# KiCad board Eclipse60.kicad_pcb (continued)
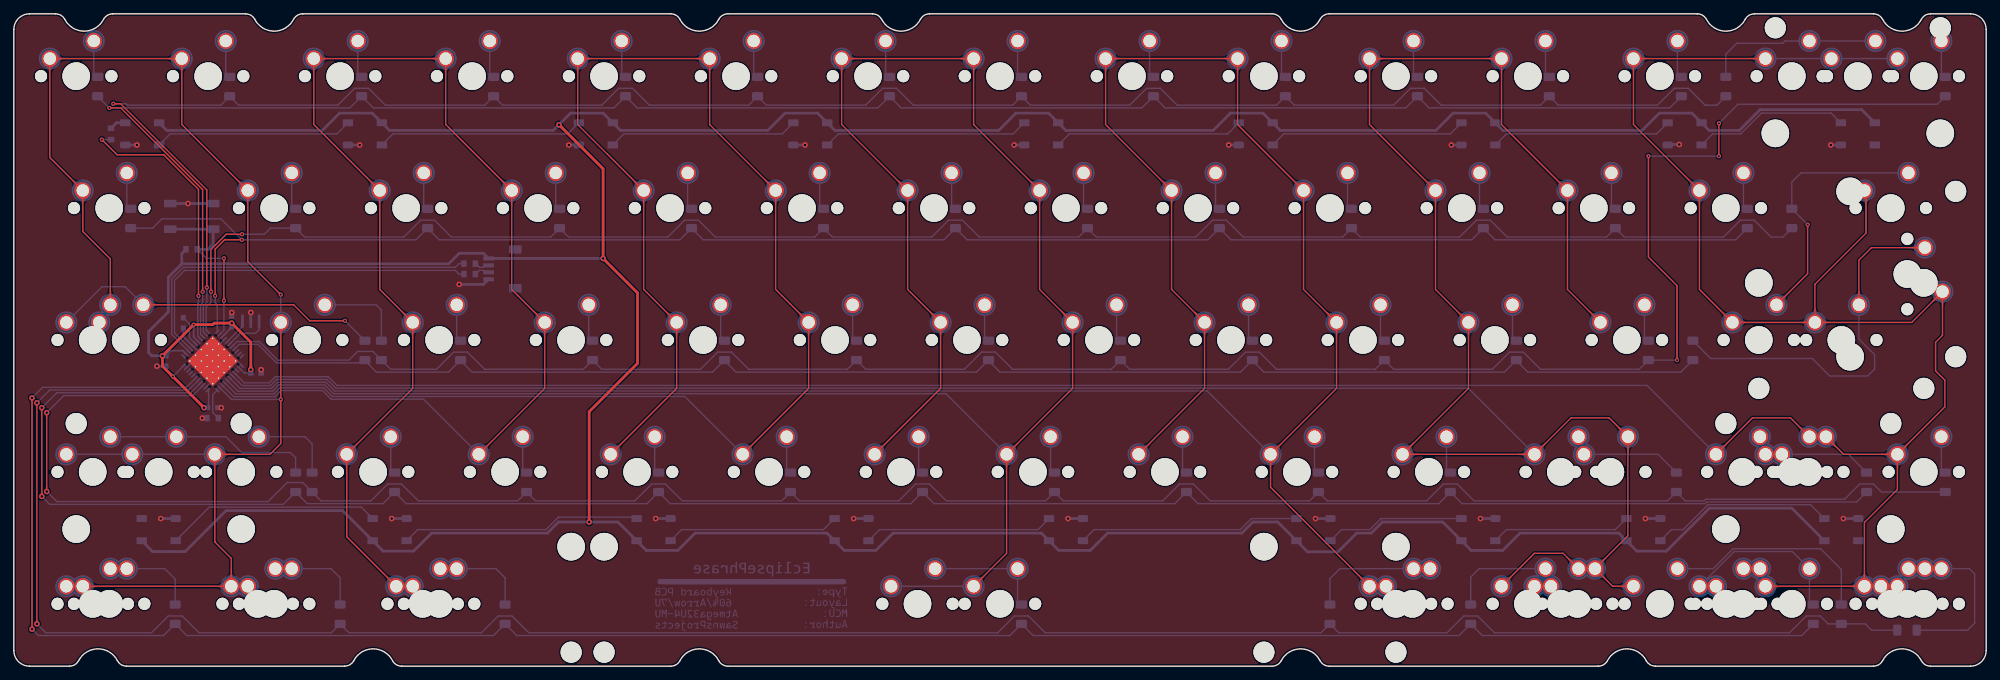
[diagram p0: board, top side]
## Copper pours and planes (outline as drawn; the poured copper is in the pictures) (continued)
Net-(D36-Pad2) on Bottom: 83.08,49.79 83.08,49.89 83.08,49.99 83.09,50.08 83.11,50.16 83.12,50.24 83.14,50.31 83.16,50.38 83.19,50.44 83.21,50.5 83.24,50.55 83.27,50.61 83.3,50.66 83.34,50.71 83.38,50.76 83.75,51.18 83.8,51.24 83.84,51.3 83.89,51.36 83.93,51.43 83.97,51.5 84.02,51.58 84.06,51.66 82.98,52.78 81.9,51.66 81.94,51.58 81.98,51.5 82.02,51.43 82.07,51.36 82.11,51.3 82.16,51.24 82.2,51.18 82.58,50.76 82.62,50.71 82.65,50.66 82.68,50.61 82.71,50.55 82.74,50.5 82.77,50.44 82.79,50.38 82.81,50.31 82.83,50.24 82.85,50.16 82.86,50.08 82.87,49.99 82.88,49.89 82.88,49.79
Net-(D37-Pad2) on Bottom: 102.13,48.99 102.13,49.13 102.14,49.25 102.15,49.37 102.17,49.48 102.19,49.59 102.21,49.68 102.24,49.77 102.28,49.86 102.31,49.94 102.35,50.01 102.4,50.08 102.44,50.15 102.49,50.22 102.54,50.28 102.59,50.34 102.64,50.4 102.94,50.71 103,50.78 103.06,50.85 103.12,50.92 103.18,51 103.24,51.09 103.3,51.17 103.35,51.27 103.41,51.37 103.47,51.48 102.03,52.98 100.59,51.48 100.64,51.37 100.7,51.27 100.76,51.17 100.82,51.09 100.88,51 100.94,50.92 101,50.85 101.06,50.78 101.12,50.71 101.41,50.4 101.46,50.34 101.52,50.28 101.57,50.22 101.61,50.15 101.66,50.08 101.7,50.01 101.74,49.94 101.78,49.86 101.81,49.77 101.84,49.68 101.87,49.59 101.89,49.48 101.9,49.37 101.92,49.25 101.92,49.13 101.93,48.99
Net-(D37-Pad2) on Bottom: 102.13,49.79 102.13,49.89 102.13,49.99 102.14,50.08 102.16,50.16 102.17,50.24 102.19,50.31 102.21,50.38 102.24,50.44 102.26,50.5 102.29,50.55 102.32,50.61 102.35,50.66 102.39,50.71 102.43,50.76 102.8,51.18 102.85,51.24 102.89,51.3 102.94,51.36 102.98,51.43 103.02,51.5 103.07,51.58 103.11,51.66 102.03,52.78 100.95,51.66 100.99,51.58 101.03,51.5 101.07,51.43 101.12,51.36 101.16,51.3 101.21,51.24 101.25,51.18 101.63,50.76 101.67,50.71 101.7,50.66 101.73,50.61 101.76,50.55 101.79,50.5 101.82,50.44 101.84,50.38 101.86,50.31 101.88,50.24 101.9,50.16 101.91,50.08 101.92,49.99 101.93,49.89 101.93,49.79
Net-(D38-Pad2) on Bottom: 121.18,48.99 121.18,49.13 121.19,49.25 121.2,49.37 121.22,49.48 121.24,49.59 121.26,49.68 121.29,49.77 121.33,49.86 121.36,49.94 121.4,50.01 121.45,50.08 121.49,50.15 121.54,50.22 121.59,50.28 121.64,50.34 121.69,50.4 121.99,50.71 122.05,50.78 122.11,50.85 122.17,50.92 122.23,51 122.29,51.09 122.35,51.17 122.4,51.27 122.46,51.37 122.52,51.48 121.08,52.98 119.64,51.48 119.69,51.37 119.75,51.27 119.81,51.17 119.87,51.09 119.93,51 119.99,50.92 120.05,50.85 120.11,50.78 120.17,50.71 120.46,50.4 120.51,50.34 120.57,50.28 120.62,50.22 120.66,50.15 120.71,50.08 120.75,50.01 120.79,49.94 120.83,49.86 120.86,49.77 120.89,49.68 120.92,49.59 120.94,49.48 120.95,49.37 120.97,49.25 120.97,49.13 120.98,48.99
Net-(D38-Pad2) on Bottom: 121.18,49.79 121.18,49.89 121.18,49.99 121.19,50.08 121.21,50.16 121.22,50.24 121.24,50.31 121.26,50.38 121.29,50.44 121.31,50.5 121.34,50.55 121.37,50.61 121.4,50.66 121.44,50.71 121.48,50.76 121.85,51.18 121.9,51.24 121.94,51.3 121.99,51.36 122.03,51.43 122.07,51.5 122.12,51.58 122.16,51.66 121.08,52.78 120,51.66 120.04,51.58 120.08,51.5 120.12,51.43 120.17,51.36 120.21,51.3 120.26,51.24 120.3,51.18 120.68,50.76 120.72,50.71 120.75,50.66 120.78,50.61 120.81,50.55 120.84,50.5 120.87,50.44 120.89,50.38 120.91,50.31 120.93,50.24 120.95,50.16 120.96,50.08 120.97,49.99 120.98,49.89 120.98,49.79
Net-(D39-Pad2) on Bottom: 140.23,48.99 140.23,49.13 140.24,49.25 140.25,49.37 140.27,49.48 140.29,49.59 140.31,49.68 140.34,49.77 140.38,49.86 140.41,49.94 140.45,50.01 140.5,50.08 140.54,50.15 140.59,50.22 140.64,50.28 140.69,50.34 140.74,50.4 141.04,50.71 141.1,50.78 141.16,50.85 141.22,50.92 141.28,51 141.34,51.09 141.4,51.17 141.45,51.27 141.51,51.37 141.57,51.48 140.13,52.98 138.69,51.48 138.74,51.37 138.8,51.27 138.86,51.17 138.92,51.09 138.98,51 139.04,50.92 139.1,50.85 139.16,50.78 139.22,50.71 139.51,50.4 139.56,50.34 139.62,50.28 139.67,50.22 139.71,50.15 139.76,50.08 139.8,50.01 139.84,49.94 139.88,49.86 139.91,49.77 139.94,49.68 139.97,49.59 139.99,49.48 140,49.37 140.02,49.25 140.02,49.13 140.03,48.99
Net-(D39-Pad2) on Bottom: 140.23,49.79 140.23,49.89 140.23,49.99 140.24,50.08 140.26,50.16 140.27,50.24 140.29,50.31 140.31,50.38 140.34,50.44 140.36,50.5 140.39,50.55 140.42,50.61 140.45,50.66 140.49,50.71 140.53,50.76 140.9,51.18 140.95,51.24 140.99,51.3 141.04,51.36 141.08,51.43 141.12,51.5 141.17,51.58 141.21,51.66 140.13,52.78 139.05,51.66 139.09,51.58 139.13,51.5 139.17,51.43 139.22,51.36 139.26,51.3 139.31,51.24 139.35,51.18 139.73,50.76 139.77,50.71 139.8,50.66 139.83,50.61 139.86,50.55 139.89,50.5 139.92,50.44 139.94,50.38 139.96,50.31 139.98,50.24 140,50.16 140.01,50.08 140.02,49.99 140.03,49.89 140.03,49.79
Net-(D40-Pad2) on Bottom: 159.28,48.99 159.28,49.13 159.29,49.25 159.3,49.37 159.32,49.48 159.34,49.59 159.36,49.68 159.39,49.77 159.43,49.86 159.46,49.94 159.5,50.01 159.55,50.08 159.59,50.15 159.64,50.22 159.69,50.28 159.74,50.34 159.79,50.4 160.09,50.71 160.15,50.78 160.21,50.85 160.27,50.92 160.33,51 160.39,51.09 160.45,51.17 160.5,51.27 160.56,51.37 160.62,51.48 159.18,52.98 157.74,51.48 157.79,51.37 157.85,51.27 157.91,51.17 157.97,51.09 158.03,51 158.09,50.92 158.15,50.85 158.21,50.78 158.27,50.71 158.56,50.4 158.61,50.34 158.67,50.28 158.72,50.22 158.76,50.15 158.81,50.08 158.85,50.01 158.89,49.94 158.93,49.86 158.96,49.77 158.99,49.68 159.02,49.59 159.04,49.48 159.05,49.37 159.07,49.25 159.07,49.13 159.08,48.99
Net-(D40-Pad2) on Bottom: 159.28,49.79 159.28,49.89 159.28,49.99 159.29,50.08 159.31,50.16 159.32,50.24 159.34,50.31 159.36,50.38 159.39,50.44 159.41,50.5 159.44,50.55 159.47,50.61 159.5,50.66 159.54,50.71 159.58,50.76 159.95,51.18 160,51.24 160.04,51.3 160.09,51.36 160.13,51.43 160.17,51.5 160.22,51.58 160.26,51.66 159.18,52.78 158.1,51.66 158.14,51.58 158.18,51.5 158.22,51.43 158.27,51.36 158.31,51.3 158.36,51.24 158.4,51.18 158.78,50.76 158.82,50.71 158.85,50.66 158.88,50.61 158.91,50.55 158.94,50.5 158.97,50.44 158.99,50.38 159.01,50.31 159.03,50.24 159.05,50.16 159.06,50.08 159.07,49.99 159.08,49.89 159.08,49.79
Net-(D41-Pad2) on Bottom: 178.33,48.99 178.33,49.13 178.34,49.25 178.35,49.37 178.37,49.48 178.39,49.59 178.41,49.68 178.44,49.77 178.48,49.86 178.51,49.94 178.55,50.01 178.6,50.08 178.64,50.15 178.69,50.22 178.74,50.28 178.79,50.34 178.84,50.4 179.14,50.71 179.2,50.78 179.26,50.85 179.32,50.92 179.38,51 179.44,51.09 179.5,51.17 179.55,51.27 179.61,51.37 179.67,51.48 178.23,52.98 176.79,51.48 176.84,51.37 176.9,51.27 176.96,51.17 177.02,51.09 177.08,51 177.14,50.92 177.2,50.85 177.26,50.78 177.32,50.71 177.61,50.4 177.66,50.34 177.72,50.28 177.77,50.22 177.81,50.15 177.86,50.08 177.9,50.01 177.94,49.94 177.98,49.86 178.01,49.77 178.04,49.68 178.07,49.59 178.09,49.48 178.1,49.37 178.12,49.25 178.12,49.13 178.13,48.99
Net-(D41-Pad2) on Bottom: 178.33,49.79 178.33,49.89 178.33,49.99 178.34,50.08 178.36,50.16 178.37,50.24 178.39,50.31 178.41,50.38 178.44,50.44 178.46,50.5 178.49,50.55 178.52,50.61 178.55,50.66 178.59,50.71 178.63,50.76 179,51.18 179.05,51.24 179.09,51.3 179.14,51.36 179.18,51.43 179.22,51.5 179.27,51.58 179.31,51.66 178.23,52.78 177.15,51.66 177.19,51.58 177.23,51.5 177.27,51.43 177.32,51.36 177.36,51.3 177.41,51.24 177.45,51.18 177.83,50.76 177.87,50.71 177.9,50.66 177.93,50.61 177.96,50.55 177.99,50.5 178.02,50.44 178.04,50.38 178.06,50.31 178.08,50.24 178.1,50.16 178.11,50.08 178.12,49.99 178.13,49.89 178.13,49.79
Net-(D42-Pad2) on Bottom: 197.38,48.99 197.38,49.13 197.39,49.25 197.4,49.37 197.42,49.48 197.44,49.59 197.46,49.68 197.49,49.77 197.53,49.86 197.56,49.94 197.6,50.01 197.65,50.08 197.69,50.15 197.74,50.22 197.79,50.28 197.84,50.34 197.89,50.4 198.19,50.71 198.25,50.78 198.31,50.85 198.37,50.92 198.43,51 198.49,51.09 198.55,51.17 198.6,51.27 198.66,51.37 198.72,51.48 197.28,52.98 195.84,51.48 195.89,51.37 195.95,51.27 196.01,51.17 196.07,51.09 196.13,51 196.19,50.92 196.25,50.85 196.31,50.78 196.37,50.71 196.66,50.4 196.71,50.34 196.77,50.28 196.82,50.22 196.86,50.15 196.91,50.08 196.95,50.01 196.99,49.94 197.03,49.86 197.06,49.77 197.09,49.68 197.12,49.59 197.14,49.48 197.15,49.37 197.17,49.25 197.17,49.13 197.18,48.99
Net-(D42-Pad2) on Bottom: 197.38,49.79 197.38,49.89 197.38,49.99 197.39,50.08 197.41,50.16 197.42,50.24 197.44,50.31 197.46,50.38 197.49,50.44 197.51,50.5 197.54,50.55 197.57,50.61 197.6,50.66 197.64,50.71 197.68,50.76 198.05,51.18 198.1,51.24 198.14,51.3 198.19,51.36 198.23,51.43 198.27,51.5 198.32,51.58 198.36,51.66 197.28,52.78 196.2,51.66 196.24,51.58 196.28,51.5 196.32,51.43 196.37,51.36 196.41,51.3 196.46,51.24 196.5,51.18 196.88,50.76 196.92,50.71 196.95,50.66 196.98,50.61 197.01,50.55 197.04,50.5 197.07,50.44 197.09,50.38 197.11,50.31 197.13,50.24 197.15,50.16 197.16,50.08 197.17,49.99 197.18,49.89 197.18,49.79
Net-(D43-Pad2) on Bottom: 216.43,48.99 216.43,49.13 216.44,49.25 216.45,49.37 216.47,49.48 216.49,49.59 216.51,49.68 216.54,49.77 216.58,49.86 216.61,49.94 216.65,50.01 216.7,50.08 216.74,50.15 216.79,50.22 216.84,50.28 216.89,50.34 216.94,50.4 217.24,50.71 217.3,50.78 217.36,50.85 217.42,50.92 217.48,51 217.54,51.09 217.6,51.17 217.65,51.27 217.71,51.37 217.77,51.48 216.33,52.98 214.89,51.48 214.94,51.37 215,51.27 215.06,51.17 215.12,51.09 215.18,51 215.24,50.92 215.3,50.85 215.36,50.78 215.42,50.71 215.71,50.4 215.76,50.34 215.82,50.28 215.87,50.22 215.91,50.15 215.96,50.08 216,50.01 216.04,49.94 216.08,49.86 216.11,49.77 216.14,49.68 216.17,49.59 216.19,49.48 216.2,49.37 216.22,49.25 216.22,49.13 216.23,48.99
Net-(D43-Pad2) on Bottom: 216.43,49.79 216.43,49.89 216.43,49.99 216.44,50.08 216.46,50.16 216.47,50.24 216.49,50.31 216.51,50.38 216.54,50.44 216.56,50.5 216.59,50.55 216.62,50.61 216.65,50.66 216.69,50.71 216.73,50.76 217.1,51.18 217.15,51.24 217.19,51.3 217.24,51.36 217.28,51.43 217.32,51.5 217.37,51.58 217.41,51.66 216.33,52.78 215.25,51.66 215.29,51.58 215.33,51.5 215.37,51.43 215.42,51.36 215.46,51.3 215.51,51.24 215.55,51.18 215.93,50.76 215.97,50.71 216,50.66 216.03,50.61 216.06,50.55 216.09,50.5 216.12,50.44 216.14,50.38 216.16,50.31 216.18,50.24 216.2,50.16 216.21,50.08 216.22,49.99 216.23,49.89 216.23,49.79
Net-(D44-Pad2) on Bottom: 235.48,48.99 235.48,49.13 235.49,49.25 235.5,49.37 235.52,49.48 235.54,49.59 235.56,49.68 235.59,49.77 235.63,49.86 235.66,49.94 235.7,50.01 235.75,50.08 235.79,50.15 235.84,50.22 235.89,50.28 235.94,50.34 235.99,50.4 236.29,50.71 236.35,50.78 236.41,50.85 236.47,50.92 236.53,51 236.59,51.09 236.65,51.17 236.7,51.27 236.76,51.37 236.82,51.48 235.38,52.98 233.94,51.48 233.99,51.37 234.05,51.27 234.11,51.17 234.17,51.09 234.23,51 234.29,50.92 234.35,50.85 234.41,50.78 234.47,50.71 234.76,50.4 234.81,50.34 234.87,50.28 234.92,50.22 234.96,50.15 235.01,50.08 235.05,50.01 235.09,49.94 235.13,49.86 235.16,49.77 235.19,49.68 235.22,49.59 235.24,49.48 235.25,49.37 235.27,49.25 235.27,49.13 235.28,48.99
Net-(D44-Pad2) on Bottom: 235.48,49.79 235.48,49.89 235.48,49.99 235.49,50.08 235.51,50.16 235.52,50.24 235.54,50.31 235.56,50.38 235.59,50.44 235.61,50.5 235.64,50.55 235.67,50.61 235.7,50.66 235.74,50.71 235.78,50.76 236.15,51.18 236.2,51.24 236.24,51.3 236.29,51.36 236.33,51.43 236.37,51.5 236.42,51.58 236.46,51.66 235.38,52.78 234.3,51.66 234.34,51.58 234.38,51.5 234.42,51.43 234.47,51.36 234.51,51.3 234.56,51.24 234.6,51.18 234.98,50.76 235.02,50.71 235.05,50.66 235.08,50.61 235.11,50.55 235.14,50.5 235.17,50.44 235.19,50.38 235.21,50.31 235.23,50.24 235.25,50.16 235.26,50.08 235.27,49.99 235.28,49.89 235.28,49.79
Net-(D45-Pad2) on Top: 273.47,60.33 273.57,60.33 273.67,60.33 273.75,60.32 273.84,60.31 273.91,60.29 273.99,60.27 274.05,60.25 274.12,60.23 274.18,60.2 274.23,60.17 274.29,60.14 274.34,60.11 274.39,60.07 274.43,60.04 274.86,59.66 274.92,59.61 274.98,59.57 275.04,59.53 275.11,59.48 275.18,59.44 275.25,59.4 275.34,59.35 276.46,60.43 275.34,61.51 275.25,61.47 275.18,61.43 275.11,61.39 275.04,61.34 274.98,61.3 274.92,61.26 274.86,61.21 274.43,60.83 274.39,60.8 274.34,60.76 274.29,60.73 274.23,60.7 274.18,60.67 274.12,60.64 274.05,60.62 273.99,60.6 273.91,60.58 273.84,60.56 273.75,60.55 273.67,60.54 273.57,60.54 273.47,60.53
Net-(D45-Pad2) on Top: 266.23,54.57 266.23,54.47 266.23,54.37 266.22,54.28 266.21,54.2 266.19,54.12 266.17,54.05 266.15,53.98 266.13,53.92 266.1,53.86 266.07,53.81 266.04,53.75 266.01,53.7 265.97,53.65 265.94,53.6 265.56,53.18 265.51,53.12 265.47,53.06 265.42,53 265.38,52.93 265.34,52.86 265.3,52.78 265.25,52.7 266.33,51.58 267.41,52.7 267.37,52.78 267.33,52.86 267.29,52.93 267.24,53 267.2,53.06 267.15,53.12 267.11,53.18 266.73,53.6 266.7,53.65 266.66,53.7 266.63,53.75 266.6,53.81 266.57,53.86 266.54,53.92 266.52,53.98 266.5,54.05 266.48,54.12 266.46,54.2 266.45,54.28 266.44,54.37 266.44,54.47 266.43,54.57
Net-(D45-Pad2) on Bottom: 266.43,49.79 266.44,49.89 266.44,49.99 266.45,50.08 266.46,50.16 266.48,50.24 266.5,50.31 266.52,50.38 266.54,50.44 266.57,50.5 266.6,50.55 266.63,50.61 266.66,50.66 266.7,50.71 266.73,50.76 267.11,51.18 267.15,51.24 267.2,51.3 267.24,51.36 267.29,51.43 267.33,51.5 267.37,51.58 267.41,51.66 266.33,52.78 265.25,51.66 265.3,51.58 265.34,51.5 265.38,51.43 265.42,51.36 265.47,51.3 265.51,51.24 265.56,51.18 265.94,50.76 265.97,50.71 266.01,50.66 266.04,50.61 266.07,50.55 266.1,50.5 266.13,50.44 266.15,50.38 266.17,50.31 266.19,50.24 266.21,50.16 266.22,50.08 266.23,49.99 266.23,49.89 266.23,49.79
Net-(D45-Pad2) on Bottom: 266.43,48.99 266.44,49.13 266.44,49.25 266.46,49.37 266.47,49.48 266.49,49.59 266.52,49.68 266.55,49.77 266.58,49.86 266.62,49.94 266.66,50.01 266.7,50.08 266.75,50.15 266.79,50.22 266.84,50.28 266.9,50.34 266.95,50.4 267.24,50.71 267.3,50.78 267.36,50.85 267.42,50.92 267.48,51 267.54,51.09 267.6,51.17 267.66,51.27 267.72,51.37 267.77,51.48 266.33,52.98 264.89,51.48 264.95,51.37 265.01,51.27 265.07,51.17 265.12,51.09 265.18,51 265.24,50.92 265.31,50.85 265.37,50.78 265.43,50.71 265.72,50.4 265.77,50.34 265.82,50.28 265.87,50.22 265.92,50.15 265.97,50.08 266.01,50.01 266.05,49.94 266.08,49.86 266.12,49.77 266.15,49.68 266.17,49.59 266.19,49.48 266.21,49.37 266.22,49.25 266.23,49.13 266.23,48.99
Net-(D45-Pad2) on Bottom: 243.27,46.23 242.93,47.2 242.15,47.21 242.17,46.43 243.13,46.09
Net-(D49-Pad2) on Bottom: 17.11,33.23 16.97,33.23 16.85,33.24 16.73,33.25 16.62,33.27 16.51,33.29 16.42,33.32 16.33,33.35 16.24,33.38 16.16,33.42 16.09,33.45 16.02,33.5 15.95,33.54 15.89,33.59 15.82,33.64 15.76,33.69 15.7,33.75 15.39,34.04 15.32,34.1 15.25,34.16 15.18,34.22 15.1,34.28 15.02,34.34 14.93,34.4 14.83,34.46 14.73,34.51 14.62,34.57 13.12,33.13 14.62,31.69 14.73,31.75 14.83,31.8 14.93,31.86 15.02,31.92 15.1,31.98 15.18,32.04 15.25,32.1 15.32,32.16 15.39,32.22 15.7,32.51 15.76,32.57 15.82,32.62 15.89,32.67 15.95,32.72 16.02,32.76 16.09,32.81 16.16,32.84 16.24,32.88 16.33,32.91 16.42,32.94 16.51,32.97 16.62,32.99 16.73,33.01 16.85,33.02 16.97,33.03 17.11,33.03
Net-(D49-Pad2) on Bottom: 16.31,33.23 16.21,33.23 16.11,33.24 16.03,33.25 15.94,33.26 15.87,33.27 15.79,33.29 15.73,33.31 15.66,33.34 15.6,33.36 15.55,33.39 15.49,33.42 15.44,33.46 15.39,33.49 15.35,33.53 14.92,33.91 14.86,33.95 14.8,34 14.74,34.04 14.67,34.08 14.6,34.13 14.53,34.17 14.44,34.21 13.32,33.13 14.44,32.05 14.53,32.09 14.6,32.13 14.67,32.18 14.74,32.22 14.8,32.26 14.86,32.31 14.92,32.35 15.35,32.73 15.39,32.77 15.44,32.8 15.49,32.84 15.55,32.87 15.6,32.9 15.66,32.92 15.73,32.95 15.79,32.97 15.87,32.99 15.94,33 16.03,33.01 16.11,33.02 16.21,33.03 16.31,33.03
Net-(D49-Pad2) on Bottom: 20.26,33.03 20.39,33.03 20.52,33.02 20.64,33.01 20.75,32.99 20.85,32.97 20.95,32.94 21.04,32.91 21.12,32.88 21.2,32.84 21.28,32.81 21.35,32.76 21.42,32.72 21.48,32.67 21.55,32.62 21.61,32.57 21.67,32.51 21.98,32.22 22.04,32.16 22.11,32.1 22.19,32.04 22.27,31.98 22.35,31.92 22.44,31.86 22.54,31.8 22.64,31.75 22.75,31.69 24.25,33.13 22.75,34.57 22.64,34.51 22.54,34.46 22.44,34.4 22.35,34.34 22.27,34.28 22.19,34.22 22.11,34.16 22.04,34.1 21.98,34.04 21.67,33.75 21.61,33.69 21.55,33.64 21.48,33.59 21.42,33.54 21.35,33.5 21.28,33.45 21.2,33.42 21.12,33.38 21.04,33.35 20.95,33.32 20.85,33.29 20.75,33.27 20.64,33.25 20.52,33.24 20.39,33.23 20.26,33.23
Net-(D49-Pad2) on Bottom: 21.06,33.03 21.16,33.03 21.25,33.02 21.34,33.01 21.42,33 21.5,32.99 21.57,32.97 21.64,32.95 21.71,32.92 21.76,32.9 21.82,32.87 21.87,32.84 21.93,32.8 21.97,32.77 22.02,32.73 22.45,32.35 22.51,32.31 22.56,32.26 22.63,32.22 22.69,32.18 22.77,32.13 22.84,32.09 22.92,32.05 24.05,33.13 22.92,34.21 22.84,34.17 22.77,34.13 22.69,34.08 22.63,34.04 22.56,34 22.51,33.95 22.45,33.91 22.02,33.53 21.97,33.49 21.93,33.46 21.87,33.42 21.82,33.39 21.76,33.36 21.71,33.34 21.64,33.31 21.57,33.29 21.5,33.27 21.42,33.26 21.34,33.25 21.25,33.24 21.16,33.23 21.06,33.23
Net-(D49-Pad2) on Bottom: 26.64,33.23 26.5,33.23 26.37,33.24 26.25,33.25 26.14,33.27 26.04,33.29 25.94,33.32 25.85,33.35 25.77,33.38 25.69,33.42 25.61,33.45 25.54,33.5 25.48,33.54 25.41,33.59 25.35,33.64 25.29,33.69 25.23,33.75 24.92,34.04 24.85,34.1 24.78,34.16 24.7,34.22 24.63,34.28 24.54,34.34 24.45,34.4 24.36,34.46 24.25,34.51 24.14,34.57 22.65,33.13 24.14,31.69 24.25,31.75 24.36,31.8 24.45,31.86 24.54,31.92 24.63,31.98 24.7,32.04 24.78,32.1 24.85,32.16 24.92,32.22 25.23,32.51 25.29,32.57 25.35,32.62 25.41,32.67 25.48,32.72 25.54,32.76 25.61,32.81 25.69,32.84 25.77,32.88 25.85,32.91 25.94,32.94 26.04,32.97 26.14,32.99 26.25,33.01 26.37,33.02 26.5,33.03 26.64,33.03
Net-(D49-Pad2) on Bottom: 25.84,33.23 25.73,33.23 25.64,33.24 25.55,33.25 25.47,33.26 25.39,33.27 25.32,33.29 25.25,33.31 25.19,33.34 25.13,33.36 25.07,33.39 25.02,33.42 24.97,33.46 24.92,33.49 24.87,33.53 24.44,33.91 24.39,33.95 24.33,34 24.27,34.04 24.2,34.08 24.13,34.13 24.05,34.17 23.97,34.21 22.85,33.13 23.97,32.05 24.05,32.09 24.13,32.13 24.2,32.18 24.27,32.22 24.33,32.26 24.39,32.31 24.44,32.35 24.87,32.73 24.92,32.77 24.97,32.8 25.02,32.84 25.07,32.87 25.13,32.9 25.19,32.92 25.25,32.95 25.32,32.97 25.39,32.99 25.47,33 25.55,33.01 25.64,33.02 25.73,33.03 25.84,33.03
Net-(D49-Pad2) on Bottom: 40.57,29.14 40.13,28.21 40.67,27.65 41.21,28.21 40.77,29.14
Net-(D50-Pad2) on Bottom: 38.54,33.23 38.41,33.23 38.28,33.24 38.16,33.25 38.05,33.27 37.95,33.29 37.85,33.32 37.76,33.35 37.67,33.38 37.6,33.42 37.52,33.45 37.45,33.5 37.38,33.54 37.32,33.59 37.25,33.64 37.19,33.69 37.13,33.75 36.82,34.04 36.76,34.1 36.68,34.16 36.61,34.22 36.53,34.28 36.45,34.34 36.36,34.4 36.26,34.46 36.16,34.51 36.05,34.57 34.55,33.13 36.05,31.69 36.16,31.75 36.26,31.8 36.36,31.86 36.45,31.92 36.53,31.98 36.61,32.04 36.68,32.1 36.76,32.16 36.82,32.22 37.13,32.51 37.19,32.57 37.25,32.62 37.32,32.67 37.38,32.72 37.45,32.76 37.52,32.81 37.6,32.84 37.67,32.88 37.76,32.91 37.85,32.94 37.95,32.97 38.05,32.99 38.16,33.01 38.28,33.02 38.41,33.03 38.54,33.03
Net-(D50-Pad2) on Bottom: 37.74,33.23 37.64,33.23 37.55,33.24 37.46,33.25 37.37,33.26 37.3,33.27 37.22,33.29 37.16,33.31 37.09,33.34 37.03,33.36 36.98,33.39 36.92,33.42 36.87,33.46 36.82,33.49 36.78,33.53 36.35,33.91 36.29,33.95 36.23,34 36.17,34.04 36.1,34.08 36.03,34.13 35.96,34.17 35.88,34.21 34.75,33.13 35.88,32.05 35.96,32.09 36.03,32.13 36.1,32.18 36.17,32.22 36.23,32.26 36.29,32.31 36.35,32.35 36.78,32.73 36.82,32.77 36.87,32.8 36.92,32.84 36.98,32.87 37.03,32.9 37.09,32.92 37.16,32.95 37.22,32.97 37.3,32.99 37.37,33 37.46,33.01 37.55,33.02 37.64,33.03 37.74,33.03
Net-(D50-Pad2) on Bottom: 42.96,29.14 42.52,28.21 43.06,27.65 43.6,28.21 43.16,29.14
Net-(D51-Pad2) on Bottom: 54.5,29.94 54.51,30.08 54.51,30.2 54.53,30.32 54.54,30.43 54.56,30.54 54.59,30.63 54.62,30.72 54.65,30.81 54.69,30.89 54.73,30.96 54.77,31.03 54.82,31.1 54.86,31.17 54.91,31.23 54.97,31.29 55.02,31.35 55.31,31.66 55.37,31.73 55.43,31.8 55.49,31.87 55.55,31.95 55.61,32.04 55.67,32.12 55.73,32.22 55.79,32.32 55.84,32.43 54.4,33.93 52.96,32.43 53.02,32.32 53.08,32.22 53.13,32.12 53.19,32.04 53.25,31.95 53.31,31.87 53.37,31.8 53.43,31.73 53.49,31.66 53.79,31.35 53.84,31.29 53.89,31.23 53.94,31.17 53.99,31.1 54.03,31.03 54.08,30.96 54.12,30.89 54.15,30.81 54.19,30.72 54.22,30.63 54.24,30.54 54.26,30.43 54.28,30.32 54.29,30.2 54.3,30.08 54.3,29.94
Net-(D51-Pad2) on Bottom: 54.5,30.74 54.5,30.84 54.51,30.94 54.52,31.03 54.53,31.11 54.55,31.19 54.57,31.26 54.59,31.33 54.61,31.39 54.64,31.45 54.67,31.5 54.7,31.56 54.73,31.61 54.76,31.66 54.8,31.71 55.18,32.13 55.22,32.19 55.27,32.25 55.31,32.31 55.36,32.38 55.4,32.45 55.44,32.53 55.48,32.61 54.4,33.73 53.32,32.61 53.36,32.53 53.41,32.45 53.45,32.38 53.49,32.31 53.54,32.25 53.58,32.19 53.63,32.13 54,31.71 54.04,31.66 54.08,31.61 54.11,31.56 54.14,31.5 54.17,31.45 54.19,31.39 54.22,31.33 54.24,31.26 54.26,31.19 54.27,31.11 54.29,31.03 54.3,30.94 54.3,30.84 54.3,30.74
Net-(D52-Pad2) on Bottom: 73.55,29.94 73.56,30.08 73.56,30.2 73.58,30.32 73.59,30.43 73.61,30.54 73.64,30.63 73.67,30.72 73.7,30.81 73.74,30.89 73.78,30.96 73.82,31.03 73.87,31.1 73.91,31.17 73.96,31.23 74.02,31.29 74.07,31.35 74.36,31.66 74.42,31.73 74.48,31.8 74.54,31.87 74.6,31.95 74.66,32.04 74.72,32.12 74.78,32.22 74.84,32.32 74.89,32.43 73.45,33.93 72.01,32.43 72.07,32.32 72.13,32.22 72.18,32.12 72.24,32.04 72.3,31.95 72.36,31.87 72.42,31.8 72.48,31.73 72.54,31.66 72.84,31.35 72.89,31.29 72.94,31.23 72.99,31.17 73.04,31.1 73.08,31.03 73.13,30.96 73.17,30.89 73.2,30.81 73.24,30.72 73.27,30.63 73.29,30.54 73.31,30.43 73.33,30.32 73.34,30.2 73.35,30.08 73.35,29.94
Net-(D52-Pad2) on Bottom: 73.55,30.74 73.55,30.84 73.56,30.94 73.57,31.03 73.58,31.11 73.6,31.19 73.62,31.26 73.64,31.33 73.66,31.39 73.69,31.45 73.72,31.5 73.75,31.56 73.78,31.61 73.81,31.66 73.85,31.71 74.23,32.13 74.27,32.19 74.32,32.25 74.36,32.31 74.41,32.38 74.45,32.45 74.49,32.53 74.53,32.61 73.45,33.73 72.37,32.61 72.41,32.53 72.46,32.45 72.5,32.38 72.54,32.31 72.59,32.25 72.63,32.19 72.68,32.13 73.05,31.71 73.09,31.66 73.13,31.61 73.16,31.56 73.19,31.5 73.22,31.45 73.24,31.39 73.27,31.33 73.29,31.26 73.31,31.19 73.32,31.11 73.34,31.03 73.35,30.94 73.35,30.84 73.35,30.74
Net-(D53-Pad2) on Bottom: 92.6,29.94 92.61,30.08 92.61,30.2 92.63,30.32 92.64,30.43 92.66,30.54 92.69,30.63 92.72,30.72 92.75,30.81 92.79,30.89 92.83,30.96 92.87,31.03 92.92,31.1 92.96,31.17 93.01,31.23 93.07,31.29 93.12,31.35 93.41,31.66 93.47,31.73 93.53,31.8 93.59,31.87 93.65,31.95 93.71,32.04 93.77,32.12 93.83,32.22 93.89,32.32 93.94,32.43 92.5,33.93 91.06,32.43 91.12,32.32 91.18,32.22 91.23,32.12 91.29,32.04 91.35,31.95 91.41,31.87 91.47,31.8 91.53,31.73 91.59,31.66 91.89,31.35 91.94,31.29 91.99,31.23 92.04,31.17 92.09,31.1 92.13,31.03 92.18,30.96 92.22,30.89 92.25,30.81 92.29,30.72 92.32,30.63 92.34,30.54 92.36,30.43 92.38,30.32 92.39,30.2 92.4,30.08 92.4,29.94
Net-(D53-Pad2) on Bottom: 92.6,30.74 92.6,30.84 92.61,30.94 92.62,31.03 92.63,31.11 92.65,31.19 92.67,31.26 92.69,31.33 92.71,31.39 92.74,31.45 92.77,31.5 92.8,31.56 92.83,31.61 92.86,31.66 92.9,31.71 93.28,32.13 93.32,32.19 93.37,32.25 93.41,32.31 93.46,32.38 93.5,32.45 93.54,32.53 93.58,32.61 92.5,33.73 91.42,32.61 91.46,32.53 91.51,32.45 91.55,32.38 91.59,32.31 91.64,32.25 91.68,32.19 91.73,32.13 92.1,31.71 92.14,31.66 92.18,31.61 92.21,31.56 92.24,31.5 92.27,31.45 92.29,31.39 92.32,31.33 92.34,31.26 92.36,31.19 92.37,31.11 92.39,31.03 92.4,30.94 92.4,30.84 92.4,30.74
Net-(D54-Pad2) on Bottom: 111.65,29.94 111.66,30.08 111.66,30.2 111.68,30.32 111.69,30.43 111.71,30.54 111.74,30.63 111.77,30.72 111.8,30.81 111.84,30.89 111.88,30.96 111.92,31.03 111.97,31.1 112.01,31.17 112.06,31.23 112.12,31.29 112.17,31.35 112.46,31.66 112.52,31.73 112.58,31.8 112.64,31.87 112.7,31.95 112.76,32.04 112.82,32.12 112.88,32.22 112.94,32.32 112.99,32.43 111.55,33.93 110.11,32.43 110.17,32.32 110.23,32.22 110.28,32.12 110.34,32.04 110.4,31.95 110.46,31.87 110.52,31.8 110.58,31.73 110.64,31.66 110.94,31.35 110.99,31.29 111.04,31.23 111.09,31.17 111.14,31.1 111.18,31.03 111.23,30.96 111.27,30.89 111.3,30.81 111.34,30.72 111.37,30.63 111.39,30.54 111.41,30.43 111.43,30.32 111.44,30.2 111.45,30.08 111.45,29.94